# KiCad board STM32MP25XXAK with 2 DDR4.kicad_pcb (continued)
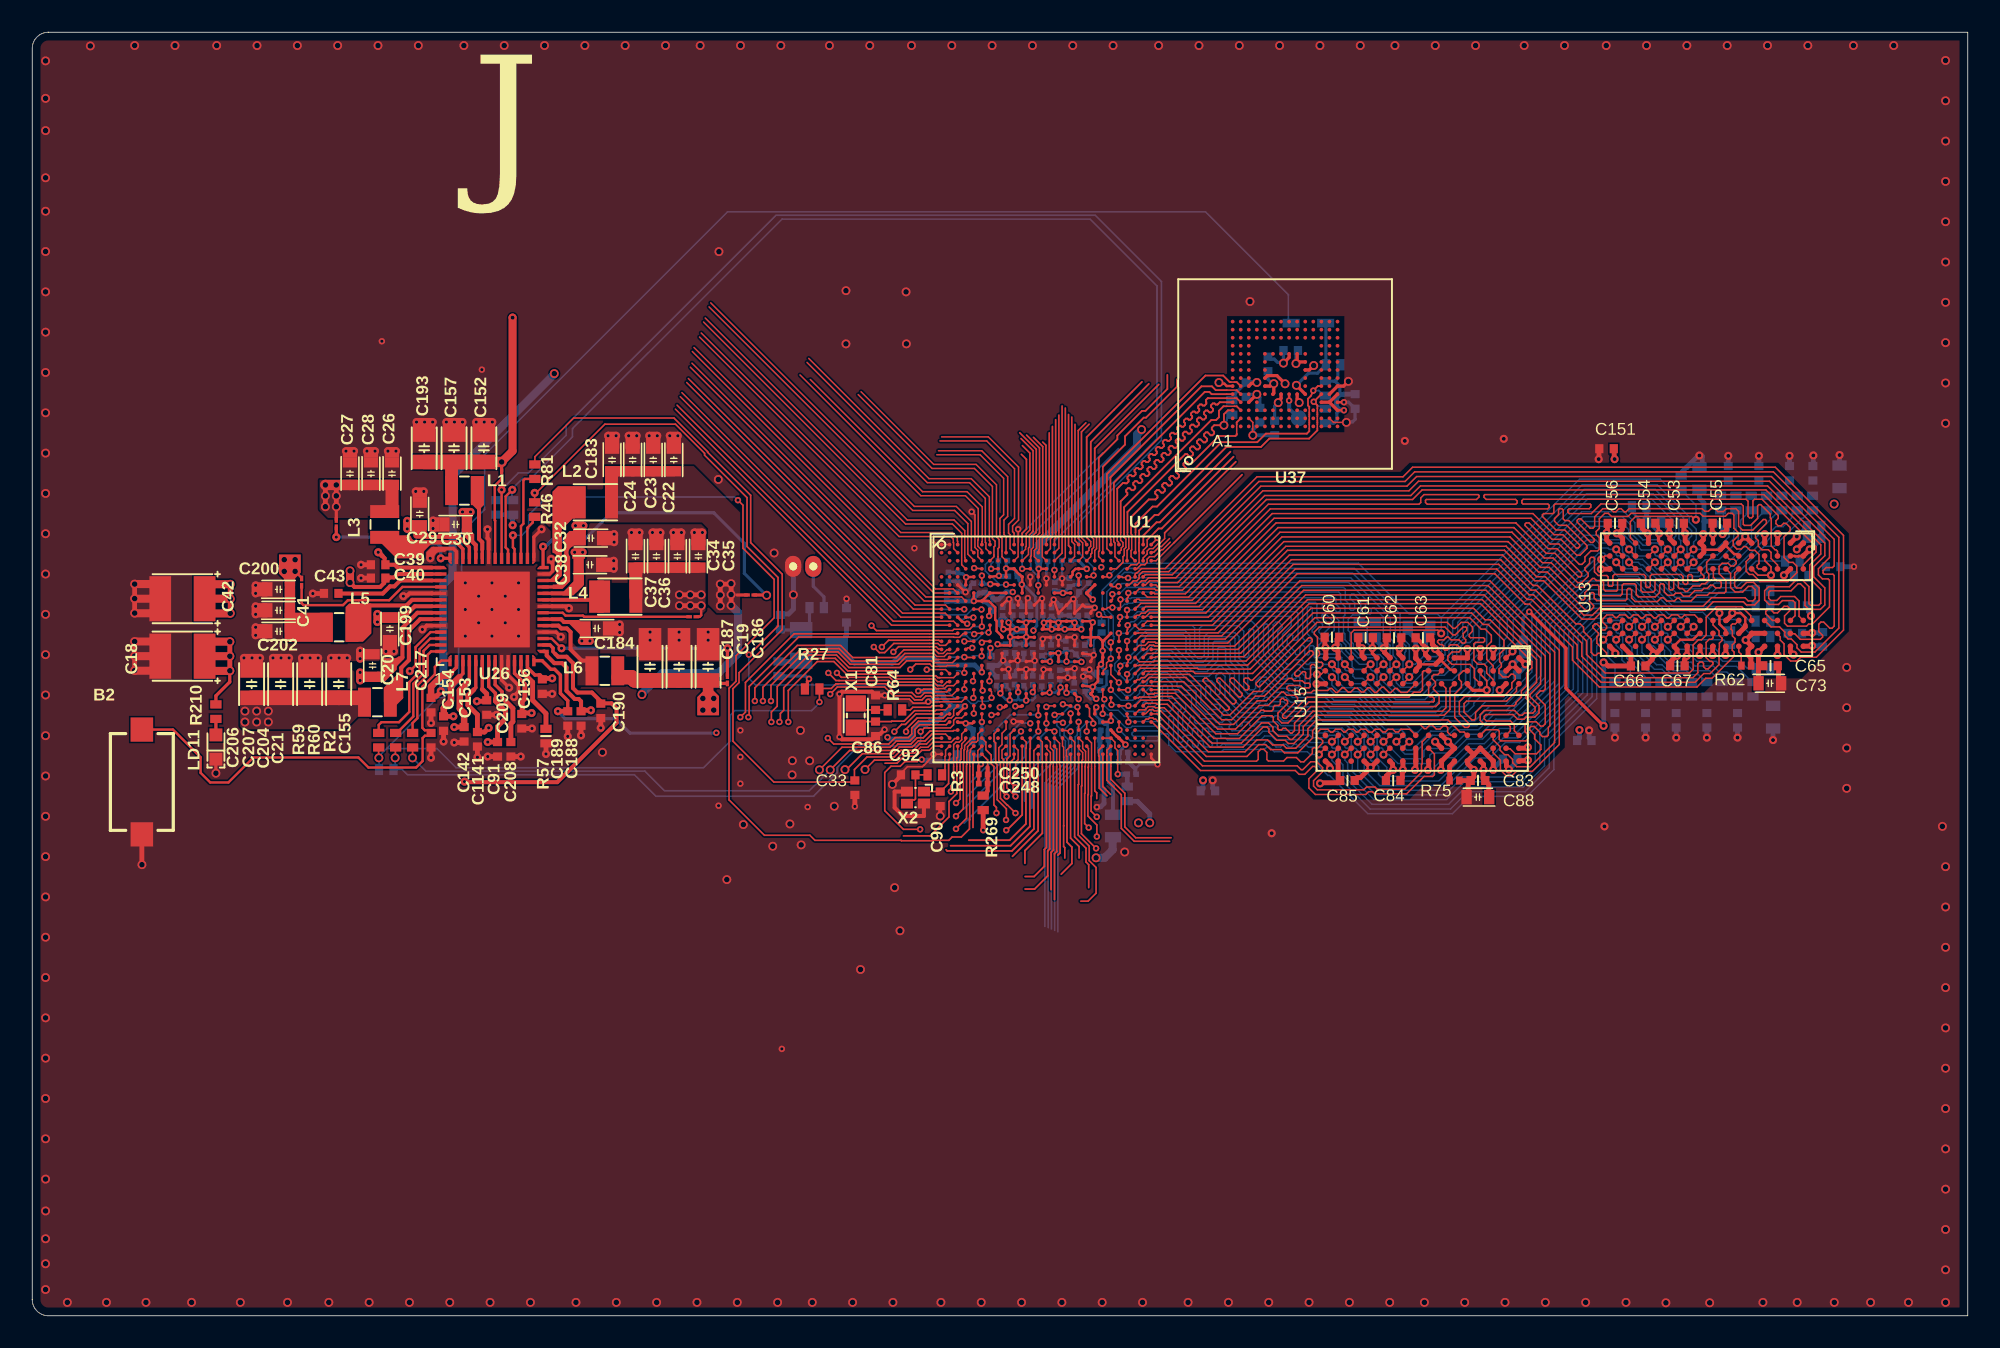
[diagram p0: board, top side]
## Routing (per net, layer and track width the routed paths; a pad name or vN(x,y) marks a point on that pad's centre or on a via; arc(x,y) is an arc through that point) (continued)
  Bottom Layer w0.09: R176.1 109.23,45.83 109.02,45.62 108.89,45.62 108.79,45.52 106,45.52 105.63,45.15 104.44,45.15 104.14,44.85 101.9,44.85 99.84,46.92 99.41,46.92 99.21,47.12 99.21,47.33 99,47.53 ; v3(99,47.53) 99,47.61 98.49,48.12 97.38,48.12 97.11,48.4 96.25,48.4 90.97,43.13 90.97,41.62 90.97,41.62 90.97,41.15 90.73,40.9 90.55,40.9 90.06,40.41 89.92,40.41 89.81,40.52 89.67,40.52 89.56,40.41 89.56,40.21 89.45,40.09 89.45,39.05 88.51,38.11 88.51,38.11 87.22,38.11 86.81,37.7 84.32,37.7 82.49,39.53 82.02,39.53 81.88,39.67 81.88,39.78 81.66,40.01 81.46,40.01 81.38,40.09 v3(81.38,40.4) 81.38,40.47 81.19,40.66 81.19,40.81 80.97,41.03 79.87,41.03 79.77,41.13 79.77,41.59 79.99,41.81 79.99,41.91 79.92,41.98 79.78,41.98 79.36,42.41 79.36,42.54 79.58,42.77 79.58,42.88 79.36,43.11 79.36,43.88 79.28,43.96 79.13,43.96 79.06,43.88 79.06,42.29 79.32,42.03 79.32,41.94 79.22,41.85 78.94,41.85 78.77,42.02 78.77,43.88 78.69,43.96 68.41,43.96 68.22,43.77 v1(67.88,43.77)
DDR_A7: length 52.8
  Top Layer w0.09: 66.37,37.33 U1.AA21 ; 80.58,34.8 80.98,35.2 ; v3(98.2,41.93) 98.59,42.32 U13.R8
  Bottom Layer w0.09: 98.2,41.93 97.81,42.32 97.24,42.32 96.71,41.79 96.71,38.39 94.05,35.74 94.05,33.99 92.56,32.5 89,32.5 87.93,31.43 82.94,31.43 80.97,33.4 80.97,34.04 80.58,34.44 v3(80.58,34.8) ; v3(80.58,34.8) 80.57,34.8 80.11,35.27 79.11,35.27 78.94,35.44 78.83,35.44 78.67,35.27 78.54,35.27 78.37,35.44 78.23,35.44 78.06,35.27 77.91,35.27 77.74,35.44 77.56,35.44 77.39,35.27 77.12,35.27 76.72,35.67 76.53,35.67 76.28,35.41 73.98,35.41 73.94,35.46 73.8,35.46 73.64,35.3 73.53,35.3 73.46,35.36 73.46,35.7 73.23,35.93 72.96,35.93 72.88,35.85 72.88,35.69 72.97,35.6 73.08,35.6 73.17,35.51 73.17,35.37 73.07,35.27 72.73,35.27 72.61,35.4 72.61,35.58 72.54,35.65 72.37,35.65 72.29,35.58 72.29,35.36 72.2,35.27 72.03,35.27 71.94,35.36 71.94,35.63 71.86,35.71 71.7,35.71 71.62,35.63 71.62,35.37 71.52,35.27 71.02,35.27 70.75,35.53 70.75,37.13 70.68,37.2 70.53,37.2 70.46,37.13 70.46,36.47 70.37,36.38 70.17,36.38 69.99,36.56 68.2,36.56 68.11,36.47 67.79,36.47 67,37.26 66.65,37.26 66.62,37.29 66.4,37.29 v1(66.37,37.33) ; v3(80.58,34.8) 80.6,34.79 ; R193.1 99.08,40.15 98.56,40.67 98.56,41.22 98.2,41.58 v3(98.2,41.93)
DDR_A8: length 60.5
  Top Layer w0.09: v3(98.2,47.53) 98.61,47.13 U13.R2 ; 80.57,40.4 U15.R2 ; U1.M24 67.88,42.52 67.91,42.55 67.91,42.82 v1(67.92,42.82)
  Bottom Layer w0.09: 98.18,47.53 98.2,47.51 ; 98.18,47.53 v3(98.2,47.53) 98.2,47.2 98.27,47.13 98.43,47.13 98.61,46.96 98.61,46.55 98.82,46.33 99.74,46.33 101.8,44.27 106.08,44.27 106.33,44.03 106.85,44.03 ; 98.18,47.53 97.78,47.53 97.7,47.61 96.96,47.61 96.75,47.82 96.49,47.82 91.82,43.15 91.82,41.87 91.52,41.57 91.52,41.5 91.38,41.37 91.38,40.76 90.65,40.03 90.65,39.04 90.58,38.97 90.58,38.65 90.34,38.41 89.8,38.41 89.38,37.99 89.38,37.84 89,37.47 87.48,37.47 87.17,37.16 84.14,37.16 82.35,38.95 81.33,38.95 80.98,39.3 80.98,39.76 80.74,40 80.69,40 80.62,40.07 80.62,40.35 ; v1(67.92,42.82) 68.14,43.05 68.32,43.05 68.65,43.38 77.97,43.38 78.05,43.29 78.05,42.8 77.52,42.26 77.52,41.55 78.02,41.05 78.02,40.92 77.93,40.84 77.77,40.84 77.22,41.39 77.22,42.42 77.5,42.69 77.5,42.81 77.28,43.02 77.11,43.02 76.93,42.84 76.93,41.27 77.8,40.4 77.96,40.4 78.24,40.68 78.72,40.68 79,40.39 79.13,40.39 79.25,40.51 79.95,40.51 80.07,40.4 80.57,40.4 v3(80.58,40.4)
DDR_A9: length 52.4
  Top Layer w0.09: v3(98.2,42.73) 98.6,43.13 ; 67.96,36.85 67.96,37.09 67.88,37.18 U1.AB24 ; 80.58,35.6 80.97,35.99 U15.R7
  Bottom Layer w0.09: 67.96,36.85 69.88,36.85 69.98,36.95 69.98,37.09 69.73,37.34 69.73,37.53 69.85,37.65 70.02,37.65 70.18,37.49 70.55,37.49 70.72,37.66 70.72,37.89 70.84,38.01 71,38.01 71.23,37.78 71.23,37.64 71.04,37.45 71.04,35.65 71.14,35.56 71.25,35.56 71.33,35.64 71.33,35.88 71.45,36 71.83,36 71.93,36.1 71.93,36.34 72.03,36.44 72.16,36.44 72.25,36.34 72.25,36.03 72.34,35.94 72.46,35.94 72.55,36.03 72.55,36.37 72.62,36.44 72.86,36.44 72.94,36.36 72.94,36.27 72.99,36.22 73.62,36.22 73.69,36.16 73.69,35.88 73.75,35.82 73.99,35.82 74.1,35.7 76.16,35.7 76.41,35.96 76.84,35.96 77.07,35.73 79.06,35.73 79.23,35.56 80.38,35.56 80.5,35.68 v3(80.58,35.6) 80.58,35.25 80.63,35.2 80.74,35.2 80.98,34.96 80.98,34.45 81.26,34.16 81.26,33.52 83.06,31.72 87.81,31.72 88.88,32.79 92.44,32.79 93.76,34.11 93.76,35.86 96.42,38.51 96.42,41.91 97.18,42.68 98.15,42.68 v3(98.2,42.73) ; 98.21,42.72 98.21,42.4 98.28,42.33 98.36,42.33 98.61,42.09 98.61,41.62 98.87,41.36 98.87,40.77 100,39.64 100,39.33 R192.1
  vias: v1(67.96,36.82)
DDR_A10: length 58.7
  Top Layer w0.09: U13.M3 101.4,46.72 v3(101.4,46.73) ; v1(67.96,44.82) 67.96,44.58 67.88,44.5 67.88,44.33 U1.H24 ; U15.M3 83.37,39.25 83.73,39.6
  Bottom Layer w0.09: v1(67.96,44.82) 68.24,44.82 68.3,44.88 81,44.88 81.12,44.76 81.12,44.25 81.39,43.99 81.39,43.45 81.3,43.36 81.3,42.38 81.39,42.29 81.39,41.92 81.69,41.62 81.69,41.29 82.18,40.81 83.28,40.81 83.37,40.72 83.37,40.07 83.78,39.66 83.78,39.32 84.63,38.46 86.13,38.46 87.1,39.43 88.05,39.43 88.58,39.95 88.58,41.52 88.8,41.75 89.13,41.75 89.35,41.97 89.35,42.74 96.17,49.56 98.58,49.56 99.17,48.98 99.17,48.49 99.87,47.78 100.26,47.78 100.41,47.93 100.77,47.93 101,47.69 101,47.38 101.24,47.13 101.31,47.13 101.4,47.04 101.4,46.74 v3(101.4,46.73) 101.4,46.68 101.61,46.47 101.61,46.39 102.38,45.61 103.46,45.61 103.51,45.66 103.73,45.66 104.08,46.02 105.27,46.02 107.3,48.05 107.55,48.05 107.82,48.31 107.82,48.65 108.11,48.94 108.56,48.94 109.08,49.46 109.08,49.7 109.33,49.95 R166.1 109.43,49.95
  vias: v3(83.78,39.6)
DDR_A11: length 63.3
  Top Layer w0.09: U1.P24 67.88,41.84 v1(67.88,41.84) ; 80.17,40 80.13,40 79.9,39.77 79.66,39.77 ; U13.T2 97.49,47.12 v3(97.28,46.9)
  Bottom Layer w0.09: 106.85,42.13 106.65,42.13 105.6,43.18 104.02,43.18 103.58,43.63 102.8,43.63 102.69,43.74 101.66,43.74 99.54,45.85 98.33,45.85 v3(97.28,46.9) 96.23,45.86 95.91,45.86 93.27,43.22 93.27,39.82 91.28,37.83 90.38,37.83 89.45,36.89 87.82,36.89 87.81,36.87 87.81,36.87 87.48,36.54 86.26,36.54 85.88,36.17 85.67,36.17 85.19,36.65 83.94,36.65 82.14,38.45 80.83,38.45 80.1,39.17 80.1,39.37 79.69,39.78 v3(79.65,39.78) 79.33,39.78 79.22,39.68 79.22,39.04 79.11,38.93 78.98,38.93 78.91,39.01 78.91,39.67 78.54,40.04 78.42,40.04 78.1,39.72 78.1,39.56 78.17,39.5 78.31,39.5 78.45,39.64 78.52,39.64 78.59,39.56 78.59,39.06 78.47,38.94 78.37,38.94 78.11,39.2 77.31,39.2 75.73,40.78 75.73,42.52 75.65,42.61 75.5,42.61 75.42,42.53 75.42,40.95 75.31,40.83 75.18,40.83 75.11,40.9 75.11,42.46 74.78,42.8 72.53,42.8 72.37,42.64 72.37,41.41 72.28,41.32 72.14,41.32 72.07,41.39 72.07,42.65 71.93,42.8 68.89,42.8 68.56,42.47 68.51,42.47 67.88,41.84
DDR_A12: length 55.3
  Top Layer w0.09: 83,35.6 83.37,35.97 U15.M7 ; 100.61,42.7 100.64,42.7 ; U13.M7 100.99,43.12 v3(100.6,42.73) ; 67.38,38.82 67.92,38.82 67.93,38.8
  Bottom Layer w0.09: R186.1 105.63,39.3 105.42,39.51 105.42,39.56 105.07,39.92 104.6,39.92 104.22,40.29 103.09,40.29 102.85,40.53 101.81,40.53 101.58,40.77 101.58,41.19 101,41.77 101,42.16 100.82,42.35 100.82,42.47 100.6,42.69 100.6,42.81 98.97,44.45 96.49,44.45 94.68,42.63 94.68,39.23 91.86,36.42 90.97,36.42 90.03,35.48 89.06,35.48 88.18,34.6 87.52,34.6 86.93,34.01 86.93,33.7 86.69,33.46 84.21,33.46 83.98,33.69 83.98,34.01 83.37,34.62 83.37,34.97 83.19,35.15 83.19,35.39 v3(82.98,35.6) 82.98,35.7 82.82,35.86 82.82,36 81.69,37.14 80.16,37.14 79.83,37.47 77.79,37.47 77.47,37.79 76.73,37.79 76.58,37.94 76.45,37.94 76.21,37.7 75.01,37.7 74.25,38.46 74.25,39.77 73.71,40.3 73.6,40.3 72.95,39.66 71.81,39.66 70.5,40.97 69.85,40.97 68.55,39.67 68.55,39.46 67.93,38.85 v1(67.93,38.8) 67.93,38.8
DDR_A13: length 49.2
  Top Layer w0.09: 80.15,35.2 79.78,34.83 79.78,34.8 ; U13.T8 97.41,41.93 v3(97.4,41.93) ; v1(67.4,36.33) 67.38,36.36 67.38,36.82 ; 97.41,41.93 97.48,42.01
  Bottom Layer w0.09: 98.13,39.3 98.13,40.42 97.69,40.87 97.69,41.64 97.4,41.92 ; 79.78,34.8 79.78,34.06 80.33,33.51 80.43,33.51 82.8,31.14 88.05,31.14 89.12,32.21 92.68,32.21 94.34,33.87 94.34,35.62 97,38.27 97,41.52 97.4,41.92 ; 97.4,41.79 97.43,41.79 ; 97.4,41.92 v3(97.4,41.93) ; v1(67.4,36.33) 68.08,35.65 69.75,35.65 69.83,35.73 69.83,35.86 69.74,35.94 68.27,35.94 68.18,36.03 68.18,36.13 68.32,36.27 69.83,36.27 70.01,36.09 70.38,36.09 70.46,36.01 70.46,35.41 70.9,34.98 73.73,34.98 73.87,35.12 76.4,35.12 76.56,35.29 76.69,35.29 77,34.98 ; 77,34.98 79.06,34.98 79.23,34.8 v3(79.78,34.8)
DDR_ACTN: length 58.7
  Top Layer w0.09: v3(102.2,46.73) 102.2,46.72 U13.L3 ; 66.88,45.32 66.89,45.32 67,45.21 67.32,45.21 67.34,45.24 ; U15.L3 84.17,39.25 84.53,39.6 84.58,39.6
  Bottom Layer w0.09: 67.35,45.24 67.39,45.24 67.56,45.41 68.19,45.41 68.26,45.48 81.62,45.48 82.76,44.33 82.76,44.24 82.66,44.13 82.66,43.62 82.75,43.53 82.96,43.53 83.02,43.59 83.02,43.81 83.1,43.89 83.21,43.89 83.76,43.34 83.76,42 84.18,41.58 84.18,40.24 84.31,40.11 84.31,39.93 84.37,39.87 84.37,39.86 84.58,39.65 v3(84.58,39.6) 84.58,39.24 84.84,38.98 85.76,38.98 86.79,40.01 87.42,40.01 88.06,40.64 88.06,41.59 88.69,42.22 88.69,42.89 96.46,50.67 100.38,50.67 101.76,49.29 101.76,49.07 101.9,48.93 101.9,48.36 101.8,48.26 101.8,47.37 101.98,47.19 101.98,46.99 102.2,46.77 ; R168.1 107.43,49.95 107.22,49.74 107.22,49.72 106.6,49.1 106.6,48.17 105.03,46.6 103.84,46.6 103.49,46.24 103.42,46.24 103.27,46.09 102.78,46.09 102.2,46.67
  vias: v1(67.35,45.24)
DDR_BA0: length 62.1
  Top Layer w0.09: U1.J23 67.47,43.92 v1(67.47,44.42) ; U13.N2 100.6,47.52 v3(100.6,47.53) ; 82.9,40.37 82.57,40.05 U15.N2
  Bottom Layer w0.09: 82.95,40.38 v3(82.98,40.4) 82.28,40.4 81.44,41.24 81.44,41.59 80.9,42.14 80.9,42.27 81.01,42.38 81.01,43.12 80.3,43.83 80.06,43.83 79.98,43.9 79.98,44.17 80.06,44.24 80.29,44.24 80.9,43.64 81.01,43.64 81.1,43.73 81.1,43.87 80.83,44.13 80.83,44.46 80.75,44.54 68.16,44.54 68.1,44.48 67.83,44.48 67.77,44.42 v1(67.47,44.42) ; 82.98,40.38 82.98,40.1 83.08,40 83.14,40 83.38,39.77 83.38,39.45 83.53,39.3 83.53,39.21 84.53,38.21 86.34,38.21 86.86,38.73 88.31,38.73 88.87,39.29 88.87,40.69 89.37,41.19 89.37,41.58 89.7,41.9 89.7,42.67 96.28,49.26 98.47,49.26 98.98,48.76 98.98,48.41 98.99,48.39 98.99,48.39 99.64,47.74 99.64,47.6 99.75,47.49 100.56,47.49 v3(100.6,47.53) 100.6,47.2 100.68,47.12 100.77,47.12 101,46.89 101,46.56 102.18,45.37 103.85,45.37 104.2,45.73 105.39,45.73 107.39,47.73 108.02,47.73 109.63,49.33 109.63,49.37 109.71,49.45 109.78,49.45 110.28,49.95 110.38,49.95
DDR_BA1: length 52.5
  Top Layer w0.09: 82.18,34.8 82.18,34.83 82.55,35.2 ; 99.81,41.93 100.2,42.32 ; U1.AA23 v1(67.96,37.82)
  Bottom Layer w0.09: v1(67.96,37.82) 67.98,37.81 68.27,37.81 68.94,38.48 68.94,38.63 69.42,39.1 69.42,39.24 70.07,39.89 70.34,39.89 70.97,39.27 70.97,39.04 71.05,38.97 71.27,38.97 71.45,38.79 72.08,38.79 72.16,38.7 72.16,37.91 72.76,37.31 73.31,37.31 73.53,37.09 73.65,37.09 73.75,37.19 73.75,37.38 73.88,37.5 73.97,37.5 74.67,36.81 74.67,36.64 74.73,36.57 74.96,36.57 75.01,36.63 75.01,36.76 75.07,36.82 75.39,36.82 75.48,36.73 75.48,36.63 75.54,36.57 75.74,36.57 76,36.83 77.2,36.83 77.43,36.6 79.47,36.6 79.63,36.44 81.23,36.44 81.78,35.89 81.78,35.41 82.01,35.18 82.06,35.18 82.12,35.12 82.12,34.86 v3(82.18,34.8) 82.18,33.84 83.42,32.59 87.45,32.59 89.45,34.59 90.37,34.59 91.33,35.55 92.22,35.55 95.55,38.87 95.55,42.27 96.85,43.58 98.71,43.58 99.4,42.89 99.4,42.58 99.64,42.33 99.72,42.33 99.78,42.28 99.78,41.95 v3(99.8,41.93) 99.8,41.13 100.34,40.59 100.48,40.59 100.7,40.38 101.04,40.38 101.61,39.81 102.31,39.81 102.57,39.55 102.57,39.51 102.78,39.3 R189.1
DDR_BG0: length 61.5
  Top Layer w0.09: 83.73,40.4 83.37,40.05 U15.M2 ; U13.M2 101.01,47.13 v3(101.4,47.53) ; U1.H22 66.98,44.42 66.98,44.74 v1(66.97,44.75)
  Bottom Layer w0.09: 83.78,40.4 83.99,40.19 83.99,39.95 84.18,39.76 84.18,39.27 84.74,38.71 85.94,38.71 86.95,39.72 87.54,39.72 88.31,40.49 88.31,41.56 89,42.24 89,42.79 96.06,49.86 98.69,49.86 99.36,49.19 99.36,48.61 99.86,48.12 100.84,48.12 101.36,47.61 101.36,47.54 101.66,47.24 101.66,47.04 101.8,46.91 101.8,46.55 102.49,45.85 103.37,45.85 103.47,45.95 103.61,45.95 103.96,46.31 105.15,46.31 106.89,48.05 106.89,48.28 107.02,48.41 107.02,48.63 107.93,49.55 107.94,49.55 108.13,49.74 108.27,49.74 108.37,49.85 ; v3(83.78,40.4) 83.78,40.78 83.55,41 82.27,41 81.91,41.37 81.91,41.67 81.7,41.88 81.7,42.38 81.59,42.5 81.59,43.19 81.87,43.47 82.29,43.47 82.37,43.54 82.37,44.32 81.93,44.75 81.82,44.75 81.7,44.64 81.7,44.51 81.99,44.22 81.99,43.84 81.91,43.76 81.76,43.76 81.68,43.84 81.68,44.11 81.41,44.37 81.41,45.07 81.3,45.17 67.81,45.17 67.4,44.76 66.98,44.76 v1(66.97,44.75)
DDR_CASN: length 58
  Top Layer w0.09: 82.98,34.83 83.35,35.2 ; v3(100.6,41.93) 100.99,42.32 U13.M8 ; 67.37,39.27 66.88,39.76 U1.T22
  Bottom Layer w0.09: v3(100.6,41.93) 100.6,41.86 101.2,41.26 101.2,40.85 101.76,40.29 102.68,40.29 102.97,40 104.01,40 104.47,39.54 104.47,39.51 104.68,39.3 R187.1 ; 100.6,41.93 100.6,42.28 100.55,42.33 100.44,42.33 100.21,42.57 100.21,42.9 99.95,43.17 99.84,43.17 98.84,44.16 96.61,44.16 94.97,42.51 94.97,39.11 91.98,36.13 91.09,36.13 90.13,35.17 89.21,35.17 87.21,33.17 83.87,33.17 83.47,33.57 83.47,34.07 83.14,34.4 83.03,34.4 82.98,34.45 v3(82.98,34.8) 82.9,34.88 82.9,35.12 82.58,35.44 82.58,35.89 81.6,36.87 80.01,36.87 79.71,37.18 77.67,37.18 77.35,37.5 76.42,37.5 76.33,37.41 74.89,37.41 73.96,38.34 73.96,39.65 73.71,39.89 73.59,39.89 73.38,39.68 73.38,39.56 73.64,39.3 73.64,38.59 73.57,38.52 73.42,38.52 73.35,38.6 73.35,39.15 73.13,39.37 71.69,39.37 70.38,40.68 70.01,40.68 68.84,39.5 68.84,39.34 68.37,38.87 68.37,38.74 68.08,38.46 67.77,38.46 67.37,38.86 v1(67.37,39.27)
DDR_CKE: length 60.9
  Top Layer w0.09: v1(66.87,40.75) 66.6,40.48 66.6,40.2 66.4,40 66.4,39.85 U1.U21 ; 102.61,47.13 103.01,47.52 ; 84.98,40 85.38,40.4
  Bottom Layer w0.09: 85.38,40.4 85.76,40.4 86.24,40.88 87.06,40.88 87.38,41.19 87.38,41.75 87.75,42.13 87.75,43.19 96.1,51.54 100.74,51.54 102.73,49.56 102.73,49.22 103.17,48.78 103.17,48.14 103,47.98 v3(103,47.53) 104.41,47.53 105.2,48.32 105.2,48.97 104.85,49.31 104.85,49.89 104.79,49.95 R171.1 ; 85.38,40.4 v3(85.38,40.4) ; 85.38,40.4 85.38,41.6 84.8,42.18 84.8,43.53 81.98,46.35 67.69,46.35 66.34,45 66.34,43.77 66.48,43.63 66.48,43.51 66.73,43.26 66.73,42.12 66.52,41.91 66.52,41.58 66.87,41.23 v1(66.87,40.75)
DDR_CLK_N: length 57.4
  Top Layer w0.09: v3(103,42.73) 103,42.72 U13.K8 ; U15.K8 84.97,35.25 85.33,35.6 ; v1(67.96,40.83) 67.95,40.82 67.95,40.55 67.88,40.48 U1.T24
  Bottom Layer w0.09: v3(85.38,35.6) 85.09,35.32 85.09,35.21 85.22,35.08 85.54,35.08 86.71,36.25 87.7,36.25 88.05,36.6 89.57,36.6 90.5,37.54 91.4,37.54 93.56,39.7 93.56,43.1 96.03,45.57 99.39,45.57 101.46,43.5 102.41,43.5 102.71,43.2 102.71,43 102.98,42.73 v3(103,42.73) 102.73,42.45 102.73,42.31 102.87,42.17 104.87,42.17 105.2,42.5 105.23,42.5 ; v1(67.96,40.83) 67.99,40.83 68.5,41.34 68.5,41.92 69.09,42.51 71.46,42.51 71.78,42.18 71.78,41.27 72.27,40.78 72.49,40.78 72.66,40.95 72.66,42.11 72.92,42.37 74.56,42.37 74.82,42.11 74.82,40.78 75.37,40.23 75.37,38.93 75.48,38.82 75.74,38.82 75.85,38.93 75.85,39.35 76.11,39.6 76.5,39.6 77.19,38.91 77.93,38.91 78.25,38.59 80.29,38.59 80.72,38.16 82.08,38.16 83.87,36.36 84.86,36.36 85.09,36.13 85.09,35.88 85.37,35.6
DDR_CLK_P: length 58.1
  Top Layer w0.09: U1.U23 67.38,39.83 67.38,40 67.46,40.08 v1(67.46,40.31) 67.42,40.27 ; 84.63,35.6 84.97,35.95 U15.K7 ; U13.K7 102.21,42.73 v3(102.2,42.73)
  Bottom Layer w0.09: 105.23,41.6 105.18,41.6 104.86,41.92 102.76,41.92 102.48,42.21 102.48,42.45 v3(102.2,42.73) 102.46,42.99 102.46,43.1 102.31,43.25 101.36,43.25 99.29,45.32 96.13,45.32 93.81,42.99 93.81,39.59 91.5,37.29 90.61,37.29 89.67,36.35 88.15,36.35 87.8,36 86.82,36 85.64,34.83 85.11,34.83 84.84,35.1 84.84,35.34 v3(84.58,35.6) 84.84,35.87 84.84,36.03 84.75,36.11 83.77,36.11 81.97,37.91 80.62,37.91 80.19,38.34 78.15,38.34 77.83,38.66 77.09,38.66 76.39,39.35 76.21,39.35 76.1,39.24 76.1,38.82 75.85,38.57 75.37,38.57 75.12,38.82 75.12,40.13 74.57,40.67 74.57,42 74.46,42.12 73.02,42.12 72.91,42.01 72.91,40.85 72.59,40.53 72.17,40.53 71.53,41.17 71.53,42.08 71.35,42.26 69.19,42.26 68.75,41.82 68.75,41.24 68.31,40.8 68.31,40.69 68.1,40.49 67.69,40.49 67.51,40.31 v1(67.46,40.31)
DDR_CSN: length 57
  Top Layer w0.09: v3(101.4,42.73) 101.41,42.73 U13.L7 ; 84.15,36 84.15,35.94 83.81,35.6 83.78,35.6 ; v1(67.88,39.79) 67.88,39.33 U1.V24
  Bottom Layer w0.09: v1(67.88,39.79) 67.88,39.82 68.6,40.54 68.6,40.68 69.47,41.55 70.74,41.55 72.05,40.24 72.71,40.24 73.2,40.73 73.2,41.72 73.31,41.83 74.16,41.83 74.28,41.71 74.28,40.55 74.83,40.01 74.83,38.7 75.25,38.28 75.97,38.28 76.43,38.74 76.6,38.74 76.97,38.37 77.71,38.37 78.03,38.05 80.07,38.05 80.48,37.64 81.9,37.64 83.58,35.95 83.58,35.88 83.78,35.68 v3(83.78,35.6) 83.78,35.55 84.13,35.2 84.23,35.2 84.9,34.54 86.13,34.54 86.28,34.69 86.28,35.04 86.42,35.18 87.94,35.18 88.82,36.06 89.79,36.06 90.73,37 91.62,37 94.1,39.47 94.1,42.87 96.25,45.03 99.21,45.03 101.18,43.05 101.18,42.98 101.4,42.76 v3(101.4,42.73) 102.51,41.62 102.88,41.62 103.11,41.39 103.83,41.39 104.33,41.39 104.57,41.14 104.57,40.83 104.81,40.58 105.9,40.58 106.33,40.15 106.83,40.15 R183.1
DDR_DQ0: length 22.9
  Top Layer w0.09: 88.18,36 87.94,36 87.75,36.19 87.75,36.48 87.65,36.58 87.47,36.58 87.28,36.38 87.05,36.38 86.77,36.66 86.67,36.66 86.43,36.41 86.31,36.41 86.06,36.66 79.75,36.66 79.38,36.29 79.38,35.83 78.46,34.91 77.64,34.91 77.44,35.11 76.78,35.11 76.47,35.42 76.05,35.42 75.31,34.68 72.79,34.68 69.96,37.52 69.56,37.52 69.48,37.59 69.28,37.59 69.03,37.34 68.89,37.34 U1.AB26
DDR_DQ1: length 24.1
  Top Layer w0.09: 83.25,32.79 83.38,32.65 85.09,32.65 86.13,33.7 86.13,34.19 86.18,34.24 86.18,35.6 86.18,35.6 86.58,36 ; 83.24,32.79 82.73,32.79 82.55,32.62 79.67,32.62 79.44,32.85 79.44,33.18 80,33.74 80,34 79.64,34.36 79.26,34.36 78.77,33.87 78.67,33.87 78.43,34.1 72.55,34.1 69.65,37.01 69.55,37.01 69.48,37.07 69.27,37.07 69.2,37.01 69.06,37.01 U1.AC26
DDR_DQ2: length 21.9
  Top Layer w0.09: 69.38,37.32 U1.AB27 69.74,37.32 72.67,34.39 75.9,34.39 76.01,34.5 76.01,34.97 76.17,35.13 76.35,35.13 76.55,34.94 76.55,34.5 76.64,34.41 77.58,34.41 77.8,34.62 78.38,34.62 78.64,34.35 78.84,34.35 79.37,34.88 79.37,35.15 79.45,35.23 79.71,35.23 80.01,35.52 80.01,35.66 79.87,35.79 79.77,35.79 79.67,35.9 79.67,36.17 79.87,36.37 80.33,36.37 80.5,36.19 80.63,36.19 80.8,36.37 81.14,36.37 81.32,36.2 81.41,36.2 81.58,36.37 81.91,36.37 82.09,36.2 82.19,36.2 82.36,36.37 82.69,36.37 82.87,36.19 83.08,36.19 83.26,36.37 83.56,36.37 83.73,36.2 83.89,36.2 84.06,36.37 84.35,36.37 84.52,36.2 84.69,36.2 84.86,36.37 85.4,36.37 U15.J7
DDR_DQ3: length 23.7
  Top Layer w0.09: U15.H8 86.93,34.84 86.93,33.55 86.82,33.45 86.29,33.45 85.21,32.36 83.23,32.36 83.1,32.5 82.85,32.5 82.67,32.33 79.55,32.33 79.15,32.73 79.15,33.3 79.67,33.82 79.67,33.92 79.52,34.07 79.38,34.07 78.89,33.58 78.54,33.58 78.31,33.81 72.43,33.81 69.42,36.82 U1.AC27 69.35,36.82
DDR_DQ4: length 24.8
  Top Layer w0.09: U1.W25 68.63,39.07 69.48,39.07 69.5,39.05 71.25,39.05 73.62,36.67 74.48,36.67 75.95,38.14 76.5,38.14 77.89,39.53 78.08,39.53 78.23,39.38 78.74,39.38 78.89,39.23 79.15,39.23 79.23,39.15 79.23,39.01 79.16,38.94 78.72,38.94 78.58,39.09 77.89,39.09 77.78,38.98 77.78,38.89 77.9,38.77 78.42,38.77 78.61,38.58 78.86,38.58 78.92,38.65 79.3,38.65 79.43,38.78 80.32,38.78 80.44,38.9 80.57,38.9 80.82,38.65 80.92,38.65 81.21,38.95 81.32,38.95 81.59,38.67 81.74,38.67 81.98,38.92 82.16,38.92 82.4,38.68 82.55,38.68 82.81,38.95 82.93,38.95 83.23,38.65 83.34,38.65 83.67,38.98 83.79,38.98 84.12,38.65 84.23,38.65 84.49,38.9 84.62,38.9 84.86,38.66 85.23,38.66 U15.J3
DDR_DQ5: length 23.8
  Top Layer w0.09: 86.57,40 86.27,40 86.19,39.93 86.19,38.81 86.05,38.67 85.66,38.67 85.35,38.36 79.04,38.36 77.74,37.06 77.59,37.06 77.52,37.13 77.52,37.26 78.45,38.18 78.45,38.34 78.3,38.48 77.78,38.48 77.58,38.68 77.46,38.68 76.62,37.85 76.07,37.85 74.6,36.38 73.5,36.38 71.06,38.82 U1.W27 ; U1.W27 69.38,38.85 ; U1.W27 69.39,38.81
DDR_DQ6: length 24.4
  Top Layer w0.09: U1.W26 68.9,38.82 69.16,38.56 69.53,38.56 69.57,38.6 70.87,38.6 73.38,36.09 74.72,36.09 76.19,37.56 76.34,37.56 76.4,37.5 76.84,37.5 76.95,37.61 76.95,37.76 77.03,37.85 77.29,37.85 77.38,37.94 77.38,38.19 77.48,38.29 77.56,38.29 77.66,38.19 77.75,38.19 77.83,38.12 77.83,37.97 77.23,37.38 77.23,37.01 77.47,36.77 77.86,36.77 79.16,38.07 86.87,38.07 86.92,38.12 86.92,38.29 86.82,38.39 86.66,38.39 86.57,38.48 86.57,39.2
DDR_DQ7: length 25.1
  Top Layer w0.09: 68.38,38.32 68.59,38.32 68.65,38.37 69.65,38.37 69.69,38.41 70.65,38.41 73.26,35.8 74.85,35.8 76.25,37.21 76.85,37.21 76.94,37.13 76.94,36.89 77.23,36.6 77.23,36.4 77.29,36.33 77.45,36.33 77.55,36.43 77.71,36.43 78.02,36.12 78.09,36.12 78.26,36.29 78.26,36.75 79.29,37.78 87.02,37.78 87.23,37.99 87.23,38.5 86.88,38.85 86.88,38.96 87,39.08 87,39.3 86.78,39.52 86.78,39.66 86.89,39.77 87.14,39.77 U15.G2
DDR_DQ8: length 38.6
  Top Layer w0.09: U1.R27 69.38,40.83 69.63,40.83 69.67,40.87 75.11,40.87 78.95,44.7 90.01,44.7 93.81,40.91 93.81,38.87 93.69,38.75 93.5,38.75 93.26,38.51 93.26,38.41 93.81,37.87 93.81,36.71 93.67,36.57 93.51,36.57 93.24,36.84 92.74,36.84 92.55,36.65 92.55,36.22 92.74,36.03 92.74,35.79 92.6,35.65 91.05,35.65 90.95,35.75 90.95,36.25 90.86,36.34 90.12,36.34 U15.D7
DDR_DQ9: length 39.3
  Top Layer w0.09: U1.R26 69.13,41.07 69.48,41.07 69.49,41.08 74.92,41.08 78.83,44.99 90.13,44.99 94.1,41.03 94.1,36.59 94,36.49 94,36 93.91,35.92 93.63,35.92 93.47,36.08 93.47,36.2 93.12,36.55 92.92,36.55 92.84,36.47 92.84,36.34 93.14,36.04 93.14,35.79 93.54,35.39 93.54,35.13 93.26,34.85 91.94,34.85 91.63,35.16 91.41,35.16 U15.B8
DDR_DQ10: length 39.6
  Top Layer w0.09: U15.C7 90.58,35.99 90.58,35.71 91,35.29 91,35.08 91.29,34.8 91.49,34.8 91.78,34.5 91.78,34.3 92.03,34.05 92.89,34.05 94.39,35.55 94.39,41.15 90.25,45.28 78.71,45.28 74.75,41.32 U1.P27
DDR_DQ11: length 41.4
  Top Layer w0.09: 78.58,45.57 74.54,41.53 69.58,41.53 69.53,41.59 69.28,41.59 69.13,41.43 69.13,41.38 69.07,41.32 U1.P26 ; 78.58,45.57 90.37,45.57 94.68,41.27 94.68,35.43 93.01,33.76 92.01,33.76 91.73,33.48 91.39,33.48 91.03,33.85 91.03,34.46 90.57,34.91 U15.C8
DDR_DQ12: length 39.6
  Top Layer w0.09: U1.V26 69.01,39.32 69.27,39.58 71.53,39.58 73.86,37.25 74.24,37.25 75.71,38.72 76.26,38.72 79.36,41.81 79.36,41.94 79.25,42.05 79.14,42.05 76.1,39.01 76.01,39.01 75.89,39.14 75.89,39.24 79.65,43 87.72,43 88.1,42.63 88.22,42.63 88.59,43 89,43 89.29,42.71 89.29,42.45 89.09,42.25 89.09,42.13 89.17,42.05 89.97,42.05 90.05,41.97 90.05,41.84 89.97,41.76 89.48,41.76 89.38,41.66 89.38,40.65 89.63,40.4 90.02,40.4 90.17,40.25 90.17,39.86 90.57,39.46 U15.C3
DDR_DQ13: length 39.8
  Top Layer w0.09: 87.5,41.55 87.5,41.35 87.57,41.27 87.72,41.27 87.83,41.38 87.83,41.51 87.93,41.61 88.34,41.61 88.55,41.4 88.55,41.27 88.45,41.17 88.02,41.17 87.77,40.91 87.77,40.65 88.02,40.4 89.15,40.4 89.41,40.14 89.41,39.56 89.77,39.2 ; 87.5,41.55 87.42,41.63 87.27,41.63 87.13,41.77 87.13,41.84 87.21,41.92 87.51,41.92 87.62,42.03 arc(87.63,42.04) 87.64,42.05 87.69,42.09 87.79,42.09 87.97,41.92 88.46,41.92 88.66,41.72 88.8,41.72 88.87,41.79 88.87,41.92 88.72,42.08 88.72,42.3 88.93,42.52 88.93,42.66 88.88,42.71 88.71,42.71 88.23,42.23 88.07,42.23 87.59,42.71 79.79,42.71 79.49,42.41 79.49,42.27 79.68,42.08 79.68,41.31 79.81,41.19 79.81,40.98 79.67,40.84 79.67,40.64 79.78,40.53 79.93,40.53 80,40.46 80,40.32 79.86,40.17 79.7,40.17 79.48,40.39 79.33,40.39 79.25,40.31 79.25,39.6 79.17,39.52 79.01,39.52 78.95,39.58 78.95,39.88 78.89,39.95 78.77,39.95 78.5,39.67 78.35,39.67 78.27,39.75 78.27,39.88 79.43,41.03 79.43,41.14 79.33,41.24 79.2,41.24 76.38,38.43 75.83,38.43 74.36,36.96 73.74,36.96 71.38,39.32 U1.V27 69.39,39.33 ; 87.5,41.55 87.5,41.55
DDR_DQ14: length 39.8
  Top Layer w0.09: U15.C2 90.57,40.31 90.18,40.7 90.18,41.52 90.46,41.81 90.46,42.2 90.08,42.58 89.83,42.58 89.12,43.29 79.53,43.29 75.64,39.41 75.54,39.41 75.41,39.54 75.19,39.54 75.12,39.47 75.12,39.35 75.43,39.04 75.43,38.89 75.35,38.81 75.21,38.81 74.48,39.54 74.34,39.54 74.26,39.46 74.26,39.35 75.01,38.59 75.01,38.47 74.92,38.38 74.81,38.38 73.64,39.54 73.53,39.54 73.45,39.46 73.45,39.34 74.63,38.15 74.63,38.05 74.52,37.95 74.41,37.95 72.81,39.54 72.69,39.54 72.59,39.44 72.59,39.35 74.21,37.73 74.21,37.64 74.12,37.54 73.98,37.54 71.75,39.77 69.18,39.77 68.98,39.57 68.77,39.57 68.65,39.45 68.5,39.45 U1.V25
DDR_DQ15: length 39.4
  Top Layer w0.09: U15.A3 92.17,39.14 92.02,38.99 92.02,38.73 91.41,38.12 88.93,38.12 88.77,37.96 88.77,37.44 89.26,36.95 89.41,36.95 89.48,37.03 89.48,37.41 89.9,37.83 91.88,37.83 91.98,37.93 91.98,38.03 92.33,38.37 92.33,38.75 92.65,39.07 92.65,39.85 92.98,40.18 92.98,40.57 90.38,43.16 90.07,43.16 89.36,43.87 79.29,43.87 75.52,40.1 72.3,40.1 72.25,40.15 68.71,40.15 U1.U25
DDR_DQ16: length 59.4
  Top Layer w0.09: U1.F25 68.52,45.32 68.77,45.57 69.02,45.57 69.21,45.77 70.9,45.77 76.29,51.16 85.35,51.16 85.95,51.75 107.71,51.75 111.43,48.04 111.43,47.02 110.74,46.33 110.74,45.95 110.99,45.7 111.34,45.7 111.43,45.62 111.43,43.96 110.36,42.9 110.13,42.9 110,42.77 108.82,42.77 108.64,42.95 108.64,43.4 108.96,43.72 108.96,43.86 108.83,44 108.61,44 108.2,43.59 107.98,43.59 107.76,43.82 107.6,43.82 107.47,43.69 107.47,43.54 107.89,43.12 U13.C7
